# Altium PCB core.PcbDoc
Units mm, origin at the board's own origin, x right, y up, seen from the top; angles counter-clockwise.
Board outline 76.96 x 67.19 mm, 2 copper layers (Top Layer, Bottom Layer); 79 components, 78 nets, 305 pads, 150 vias.
Unrouted connection lines stored in the file: 1.
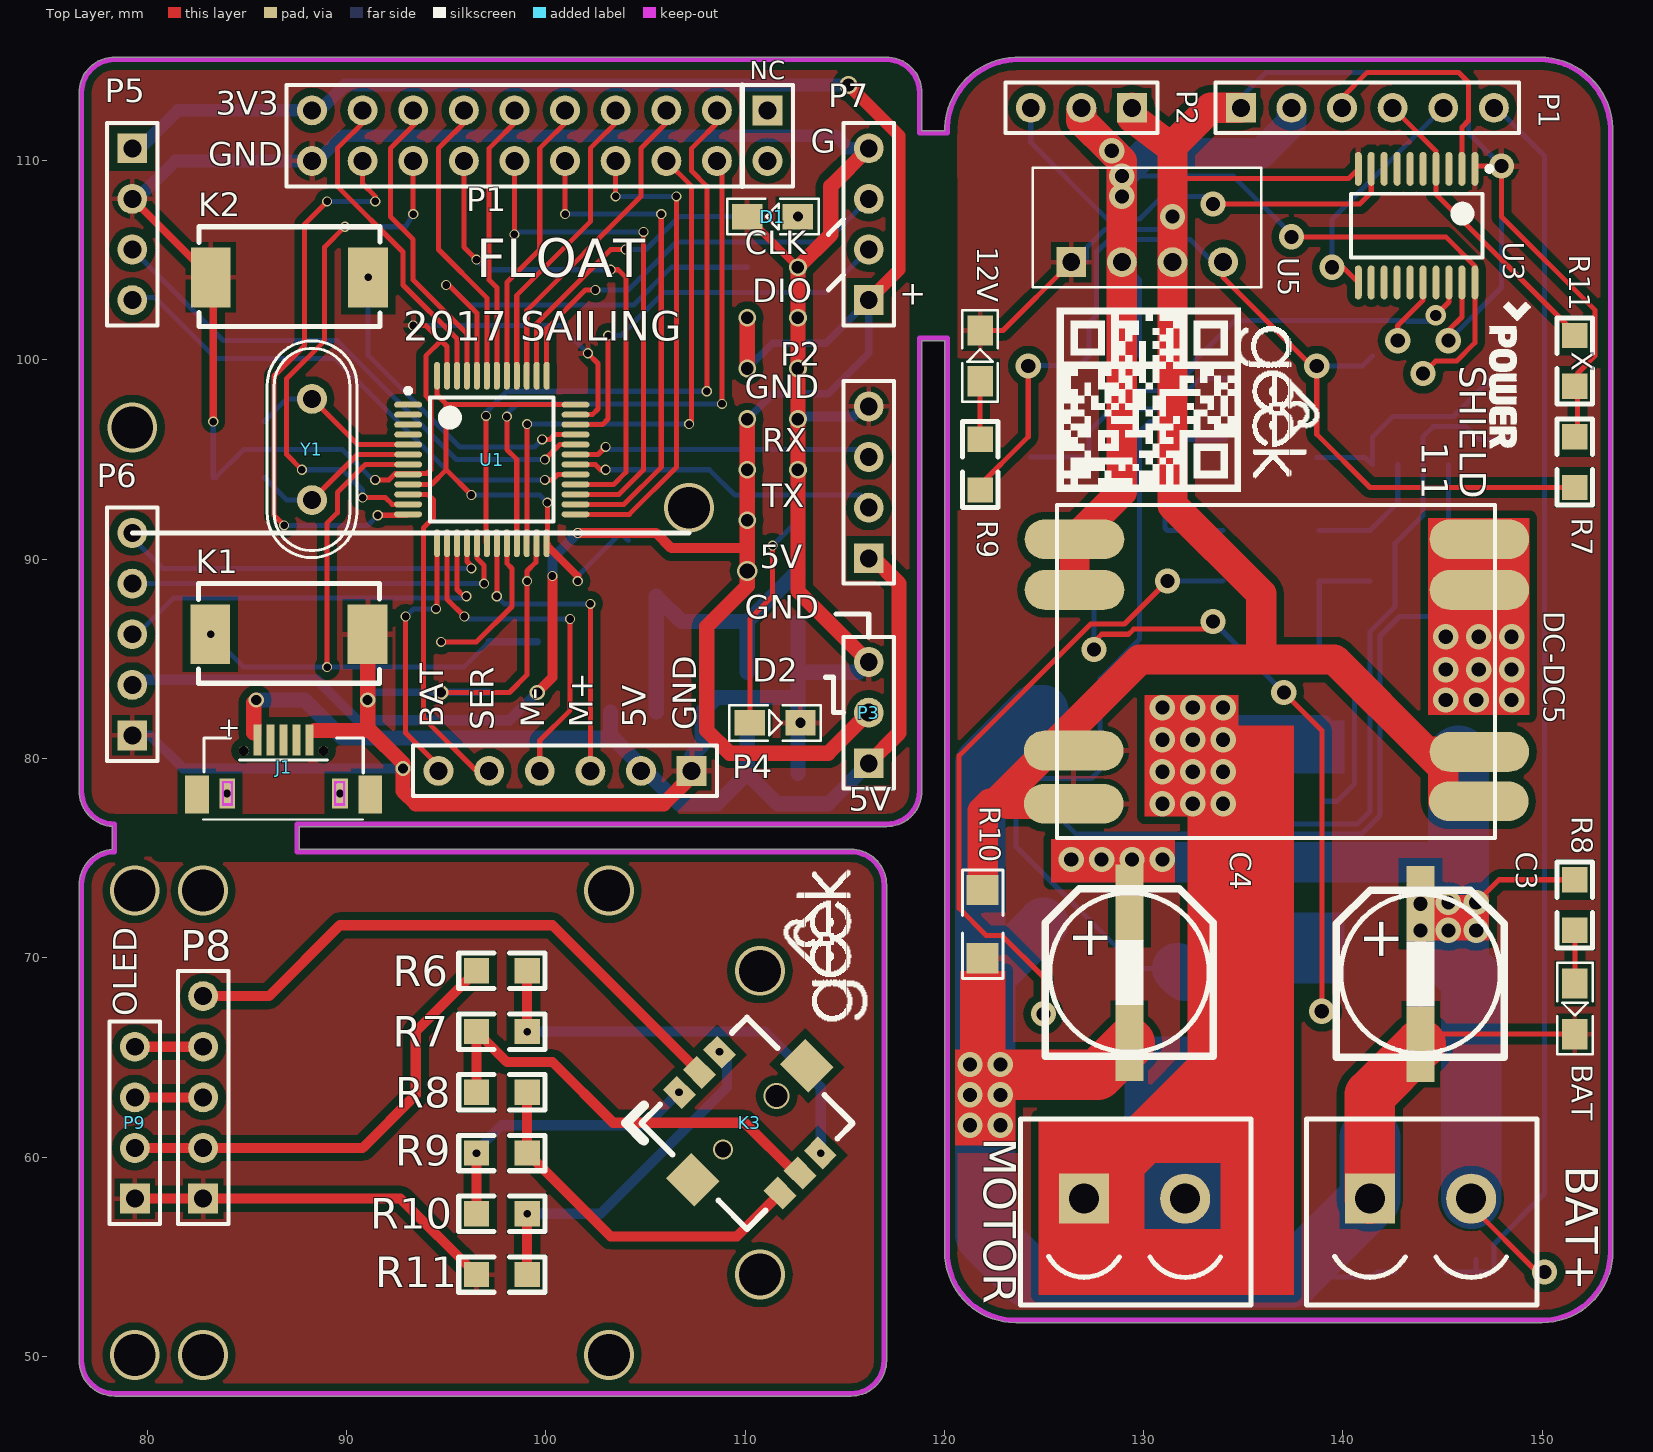
[diagram p0: Top Layer view]
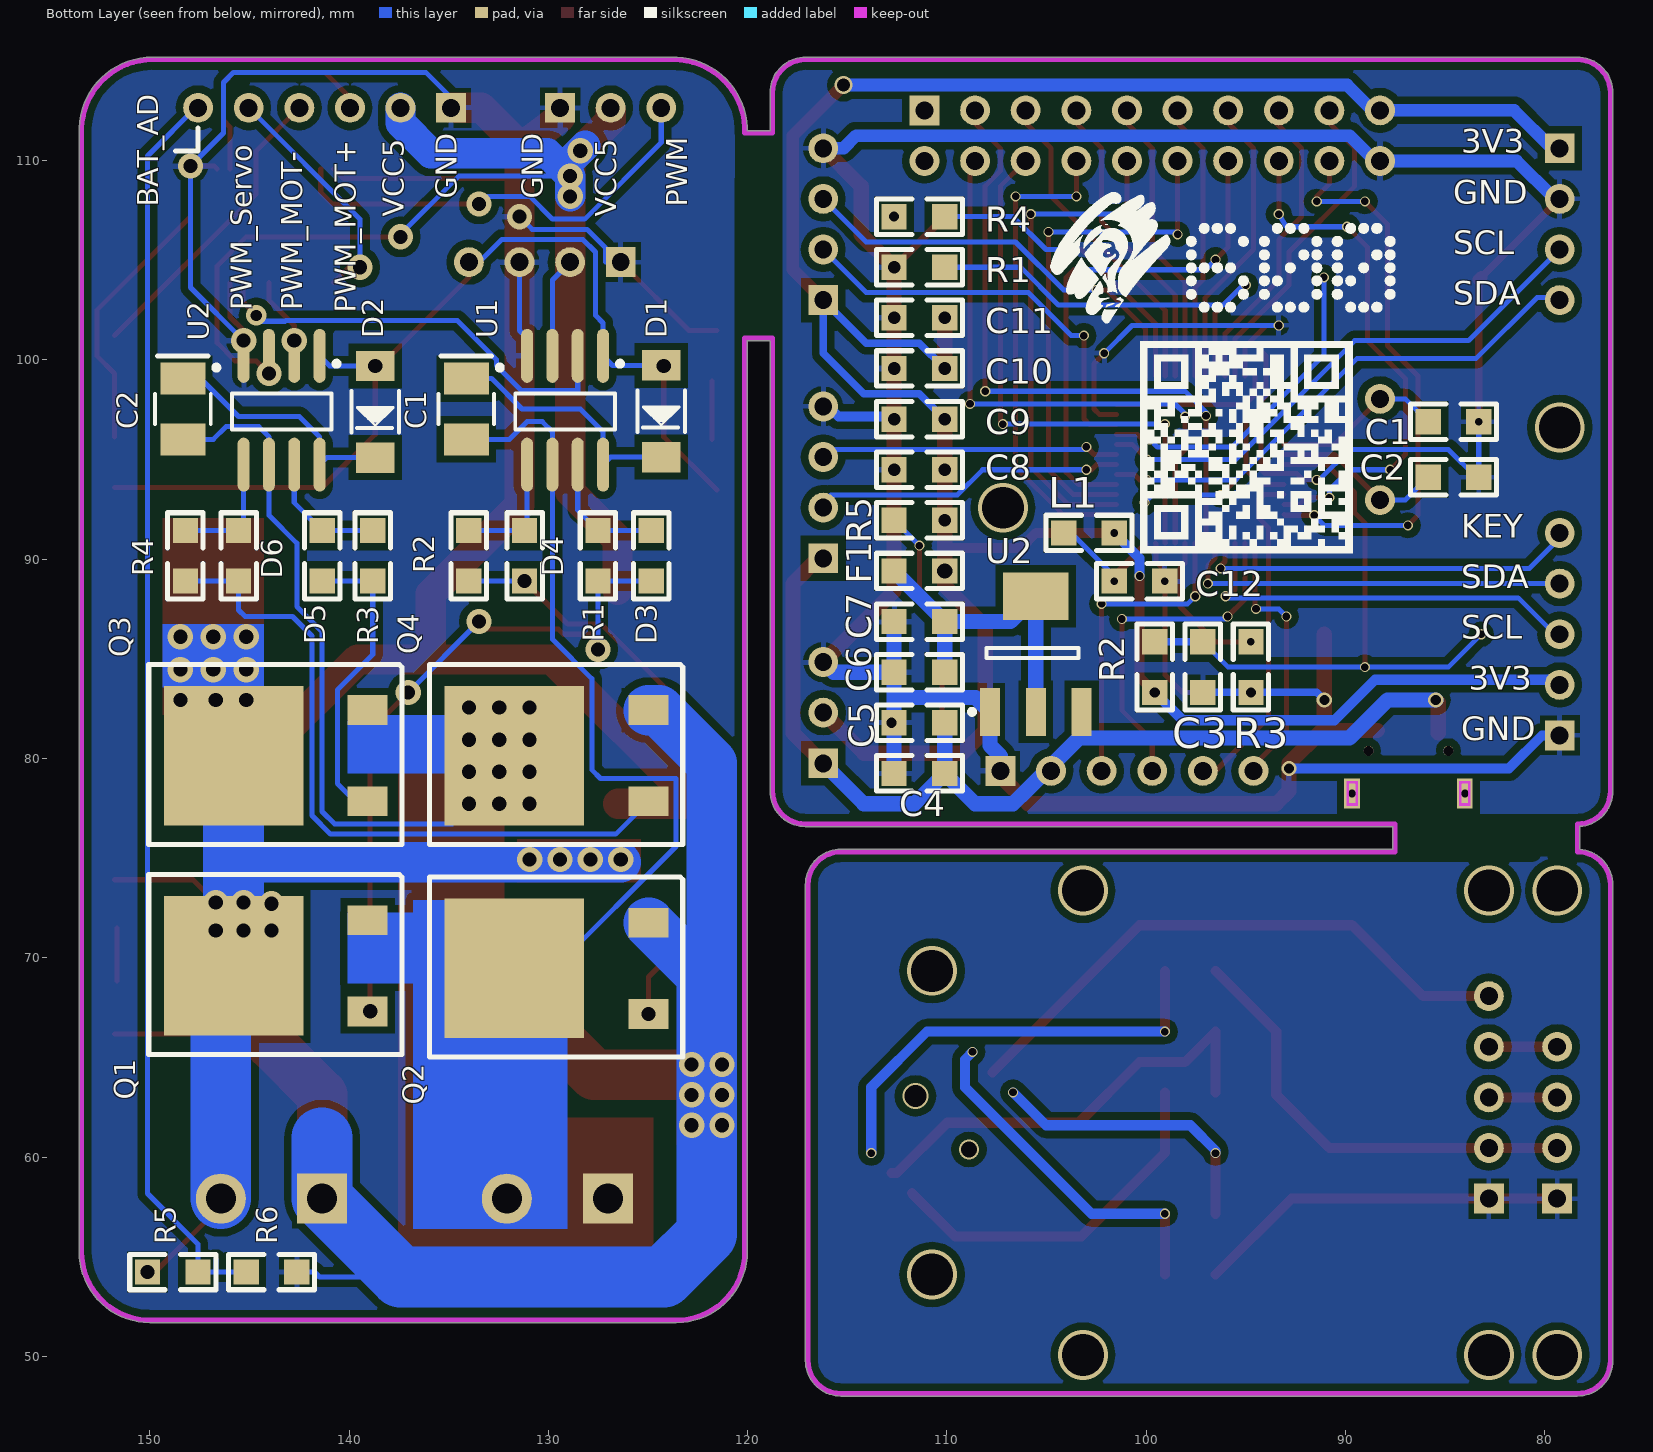
[diagram p1: Bottom Layer view, seen from below]

## Layer stack, top to bottom
Top Solder: solder mask 0.0102, Solder Resist, Dk 3.5
Top Layer: signal copper 0.0356
Dielectric 1: dielectric 0.32, FR-4, Dk 4.8
Bottom Layer: signal copper 0.0356
Bottom Solder: solder mask 0.0102, Solder Resist, Dk 3.5

## Board outline
76.581,49.784 76.581,73.66 cw(c78.359,73.66) 78.232,75.434 78.232,76.585 cw(c78.359,78.359) 76.581,78.359 76.581,113.411 cw(c78.359,113.411) 78.359,115.189 117.094,115.189 cw(c117.094,113.411) 118.872,113.411 118.872,111.506 120.015,111.506 120.015,111.633 cw(c120.142,111.633) 120.018,111.662 cw(c123.698,111.506) 123.542,115.186 cw(c123.571,115.062) 123.571,115.189 149.836,115.189 cw(c149.86,115.064) 149.86,115.192 cw(c149.86,111.506) 153.543,111.638 cw(c153.416,111.633) 153.543,111.633 cw(c153.416,111.633) 153.543,111.633 153.543,55.245 cw(c149.987,55.245) 149.987,51.689 123.571,51.689 cw(c123.571,55.245) 120.015,55.245 120.015,100.965 118.872,100.965 118.872,78.359 cw(c117.094,78.359) 117.094,76.581 87.63,76.581 87.63,75.438 115.316,75.438 cw(c115.316,73.66) 117.094,73.66 117.094,49.784 cw(c115.316,49.784) 115.316,48.006 78.359,48.006 cw(c78.359,49.784)

## Design rules (kind name [scope] priority, off if disabled: settings)
Clearance [All] p1: gap=0.178
PolygonConnect [All] p1: connectstyle=Relief reliefconductorwidth=0.254 reliefentries=4 polygonreliefangle="90 Angle" airgapwidth=0.254
RoutingVias [All] p1: holewidth=0.711 width=1.27 viastyle="Through Hole" minholewidth=0.381 minwidth=0.381 maxholewidth=4.826 maxwidth=5.08
SolderMaskExpansion [All] p1: expansion=0.102
Width [All] p1: maxlimit=5 minlimit=0.178 preferedwidth=0.254
30 further rules are at their usual default settings.

## Classes and differential pairs
component class core: C1 C2 C3 C4 C5 C6 C7 C8 C9 C10 C11 C12 D1 D2 F1 J1 K1 K2 K3 L1 P1 P2 P3 P4 P5 P6 P7 P8 P9 R1 R2 R3 R4 R5 R6 R7 R8 R9 R10 R11 U1 U2 Y1

## Components (designator, comment, footprint, x,y, rotation, side; value= is the part's Value field where it differs from the comment)
12V "12V" LED_0805 121.793,98.933 r90 top (schematic designator D8)
BAT "12V" LED_0805 151.638,68.707 r270 top (schematic designator D7)
BAT+ "接线端子2P" 接线端子KF301-2P 141.351,57.912 r0 top (schematic designator J1)
C1 "Cap" 0805 83.312,96.901 r0 bottom
C1 "Cap Pol1" "Cap 3528B" 134.112,99.062 r270 bottom
C2 "Cap" 0805 83.312,94.107 r0 bottom
C2 "Cap Pol1" "Cap 3528B" 148.336,99.062 r270 bottom
C3 "Cap" 0805 97.155,83.312 r90 bottom
C3 "cap" "cap贴片铝电解质470uF 16V" 143.891,72.71 r270 top
C4 "Cap" 0805 112.649,79.248 r180 bottom
C4 "cap" "cap贴片铝电解质470uF 16V" 129.286,72.771 r270 top
C5 "Cap" 0805 112.649,81.788 r180 bottom
C6 "Cap" 0805 112.649,84.328 r180 bottom
C7 "Cap" 0805 112.649,86.868 r180 bottom
C8 "Cap" 0805 112.649,94.488 r180 bottom
C9 "Cap" 0805 112.649,97.028 r180 bottom
C10 "Cap" 0805 112.649,99.568 r180 bottom
C11 "Cap" 0805 112.649,102.108 r180 bottom
C12 "Cap" 0805 99.06,88.9 r0 bottom
D1 "LED" LED_0805 112.649,107.188 r180 top
D1 "1N5819" DIO-214 124.333,99.723 r270 bottom
D2 "LED" LED_0805 110.236,81.788 r0 top
D2 "1N5819" DIO-214 138.684,99.695 r270 bottom
D3 "Diode 1N4148" 0805 124.841,88.9 r90 bottom
D4 "Diode 1N4148" 0805 131.191,88.9 r90 bottom
D5 "Diode 1N4148" 0805 141.351,88.9 r90 bottom
D6 "Diode 1N4148" 0805 145.542,88.9 r90 bottom
DC-DC5 "DM02" DM02 136.652,84.328 r0 top (schematic designator U4)
F1 "Fuse" 0805 112.649,89.408 r180 bottom
J1 "USB OTG Port" "Micro USB母座贴片" 85.537,80.932 r0 top
K1 "Key" 贴片按键3*6mm 91.059,86.233 r180 top
K2 "Key" 贴片按键3*6mm 91.085,104.14 r180 top
K3 "五向按键" 五向按键 110.236,61.722 r135 top
L1 "Inductor" 0805 104.14,91.313 r180 bottom
MOTOR "接线端子2P" 接线端子KF301-2P 127,57.912 r0 top (schematic designator J2)
P1 "Header 10X2" HDR2X10 111.125,112.522 r180 top
P1 "Header 6" HDR1X6 134.874,112.649 r0 top
P2 "Header 4" HDR1X4 116.205,90.043 r90 top
P2 "Header 3" HDR1X3 129.413,112.649 r180 top
P3 "Header 3" HDR1X3 116.205,79.756 r90 top
P4 "Header 6" HDR1X6 107.315,79.375 r180 top
P5 "Header 4" HDR1X4 79.248,110.617 r270 top
P6 "Header 5" HDR1X5 79.248,81.153 r90 top
P7 "Header 4" HDR1X4 116.205,102.997 r90 top
P8 "Header 5" HDR1X5 82.804,57.912 r90 top
P9 "Header 4" HDR1X4 79.375,57.912 r90 top
Q1 "MOSFET-N" TO-252 145.732,69.723 r90 bottom
Q2 "MOSFET-N" TO-252 131.636,69.596 r90 bottom
Q3 "MOSFET-N" TO-252 145.732,80.264 r90 bottom
Q4 "MOSFET-N" TO-252 131.636,80.264 r90 bottom
R1 "Res" 0805 112.649,104.648 r180 bottom
R1 "Res_" 0805 127.508,91.44 r270 bottom
R2 "Res" 0805 99.568,83.312 r90 bottom
R2 "Res_" 0805 133.985,91.44 r270 bottom
R3 "Res" 0805 94.742,85.852 r270 bottom
R3 "Res_" 0805 138.811,88.9 r90 bottom
R4 "Res" 0805 110.109,107.188 r0 bottom
R4 "Res_" 0805 148.209,88.9 r90 bottom
R5 "Res" 0805 110.109,91.948 r0 bottom
R5 "Res_" 0805 147.574,54.229 r0 bottom
R6 "Res" 0805 96.52,69.342 r0 top
R6 "Res_" 0805 142.621,54.229 r0 bottom
R7 "Res" 0805 99.06,66.294 r180 top
R7 "Res_" 0805 151.638,96.139 r270 top
R8 "Res" 0805 96.52,63.246 r0 top
R8 "Res_" 0805 151.638,73.914 r270 top
R9 "Res" 0805 99.06,60.198 r180 top
R9 "Res_" 0805 121.793,93.472 r90 top
R10 "Res" 0805 96.52,57.15 r0 top
R10 "Res_" 1206 121.92,73.397 r270 top
R11 "Res" 0805 99.06,54.102 r180 top
R11 "Res_" 0805 151.638,98.679 r90 top
U1 "STM32F103C8T6" STM32F103C8T6 93.091,97.75 r0 top
U1 "IR2104s" IR2104-SOIC8 129.159,97.409 r270 bottom
U2 "AMS1117" AMS1117 107.837,82.338 r90 bottom
U2 "IR2104s" IR2104-SOIC8 143.383,97.409 r270 bottom
U3 "SN74HC244PW" 74HC244-TSOP 146.618,109.586 r270 top
U5 "B0512S-1W" B0512S-1W 126.365,104.902 r0 top
Y1 "晶振" 晶振49S型 88.265,92.964 r90 top

## Footprints (in the part's own frame and the unit in brackets; to place one, negate y for a bottom-side part, rotate by r counter-clockwise, add the part's x,y. Pads: shape width x height; smd on the part's side, far side on the other; paste and mask are expansions set on the pad)
74HC244-TSOP [mm] "TSOP"
  oval 1.7x0.35 smd: 1(0,0) 2(0,-0.65) 3(0,-1.3) 4(0,-1.95) 5(0,-2.6) 6(0,-3.25) 7(0,-3.9) 8(0,-4.55) 9(0,-5.2) 10(0,-5.85) 11(5.7,-5.85) 12(5.7,-5.2) 13(5.7,-4.55) 14(5.7,-3.9) 15(5.7,-3.25) 16(5.7,-2.6) 17(5.7,-1.95) 18(5.7,-1.3) 19(5.7,-0.65) 20(5.7,0)
  silkscreen extent -0.12,-6.22 4.45,0.85, body extent 0.6,-6.23 5.1,0.38, height 1.2
0805 [mm] "Chip Capacitor, 2-Leads, Body 2.0x1.3mm, IPC Medium Density"
  rect 1.27x1.27 smd: 1(0,0) 2(2.54,0)
  silkscreen extent -0.89,-0.89 3.43,0.89
1206 [mm]
  rect 1.52x1.6 smd: 1(0,0) 2(3.42,0)
  silkscreen extent -1.02,-1.02 4.44,1.02
AMS1117 [mm] "SOT223, 4-Leads, Body 4.6x4.1mm (max), Pitch 1.50mm, IPC Medium Density"
  rect 2.4x1 smd: 1(0,0) 2(0,-2.3) 3(0,-4.6)
  rect 2.4x3.3 smd: 2(5.8,-2.3)
  silkscreen extent -0.12,-4.44 3.2,1.03, body extent 1.65,-4.44 4.25,0.17, height 1.6
B0512S-1W [mm]
  rect 1.5x1.5 hole 0.9: 1(0,0)
  round 1.5 hole 0.9: 2(2.54,0) 3(5.08,0) 4(7.62,0)
  silkscreen extent -1.94,-1.25 9.54,4.75
"Cap 3528B" [mm]
  rect 1.6x2.25 smd: 1(0,0) 2(3.05,0)
  silkscreen extent -1.14,-1.4 2.29,1.8, body extent -0.23,-1.4 3.27,1.4, height 1.9
"cap贴片铝电解质470uF 16V" [mm] "铝电解质 470uF 16V"
  rect 3.8x1.4 smd: 1(0,0) 2(7.051,0)
  silkscreen extent -0.69,-4.22 7.71,4.2
DIO-214 [mm] "Diode"
  rect 1.524x1.95 smd: 1(0,0) 2(4.6,0)
  silkscreen extent 1.25,-1.2 3.35,1.2, body extent 0.18,-1.2 4.42,1.19, height 3
DM02 [mm]
  oval 5x2 smd: 1(-10.125,6.667) 2(-10.125,4.127) 3(-10.16,-3.937) 4(-10.16,-6.604) 5(10.16,-6.477) 6(10.195,-4) 7(10.195,4.127) 8(10.195,6.667)
  silkscreen extent -11.01,-8.32 10.99,8.38
HDR1X3 [mm] "Connector; Header; 3 Position"
  rect 1.5x1.5 hole 0.9: 1(0,0)
  round 1.5 hole 0.9: 2(2.54,0) 3(5.08,0)
  silkscreen extent -1.27,-1.27 6.35,1.27
HDR1X4 [mm] "Connector; Header; 4 Position"
  rect 1.5x1.5 hole 0.9: 1(0,0)
  round 1.5 hole 0.9: 2(2.54,0) 3(5.08,0) 4(7.62,0)
  silkscreen extent -1.27,-1.27 8.89,1.27
HDR1X5 [mm] "Connector; Header; 5 Position"
  rect 1.5x1.5 hole 0.9: 1(0,0)
  round 1.5 hole 0.9: 2(2.54,0) 3(5.08,0) 4(7.62,0) 5(10.16,0)
  silkscreen extent -1.27,-1.27 11.43,1.27
HDR1X6 [mm] "Connector; Header; 6 Position"
  rect 1.5x1.5 hole 0.9: 1(0,0)
  round 1.5 hole 0.9: 2(2.54,0) 3(5.08,0) 4(7.62,0) 5(10.16,0) 6(12.7,0)
  silkscreen extent -1.27,-1.27 13.97,1.27
HDR2X10 [mm] "Connector; Header; 10x2 Position"
  rect 1.5x1.5 hole 0.9: 1(0,0)
  round 1.5 hole 0.9: 2(0,2.54) 3(2.54,0) 4(2.54,2.54) 5(5.08,0) 6(5.08,2.54) 7(7.62,0) 8(7.62,2.54) 9(10.16,0) 10(10.16,2.54) 11(12.7,0) 12(12.7,2.54) 13(15.24,0) 14(15.24,2.54) 15(17.78,0) 16(17.78,2.54) 17(20.32,0) 18(20.32,2.54) 19(22.86,0) 20(22.86,2.54)
  silkscreen extent -1.27,-1.27 24.13,3.81
IR2104-SOIC8 [mm] "SOIC8"
  oval 2.708x0.6 smd: 1(-2.794,1.905) 2(-2.794,0.635) 3(-2.794,-0.635) 4(-2.794,-1.905) 5(2.667,-1.905) 6(2.667,-0.635) 7(2.667,0.635) 8(2.667,1.905)
  silkscreen extent -2.52,-2.5 0.9,2.88, body extent -1.95,-2.45 1.95,2.45, height 1.75
LED_0805 [mil]
  rect 60x50 smd: 1(0,0) 2(100,0)
  silkscreen extent -41,-35 140,35
"Micro USB母座贴片" [mm]
  rect 0.4x1.55 smd: 1(0,0) 2(0.65,0) 3(1.3,0) 4(1.95,0) 5(2.6,0)
  rect 1.2x1.9 smd: 6(-3.05,-2.75) 6(5.65,-2.75)
  rect 0.8x1.5 hole 0.4: 6(-1.525,-2.7) 6(4.125,-2.7)
  round 0.5 hole 0.5 unplated: ""(-0.7,-0.55) ""(3.3,-0.55)
  Keep-Out Layer lines w0.127: -1.754,-3.243 -1.754,-2.125 -1.296,-2.125 -1.296,-3.243 -1.754,-3.243 ; 3.896,-3.243 3.896,-2.125 4.354,-2.125 4.354,-3.243 3.896,-3.243
  silkscreen extent -2.75,-4 5.3,0.1
STM32F103C8T6 [mm]
  oval 1.4x0.3 smd: 1(0,0) 2(0,-0.5) 3(0,-1) 4(0,-1.5) 5(0,-2) 6(0,-2.5) 7(0,-3) 8(0,-3.5) 9(0,-4) 10(0,-4.5) 11(0,-5) 12(0,-5.5) 25(8.4,-5.5) 26(8.4,-5) 27(8.4,-4.5) 28(8.4,-4) 29(8.4,-3.5) 30(8.4,-3) 31(8.4,-2.5) 32(8.4,-2) 33(8.4,-1.5) 34(8.4,-1) 35(8.4,-0.5) 36(8.4,0)
  oval 0.3x1.4 smd: 13(1.45,-6.95) 14(1.95,-6.95) 15(2.45,-6.95) 16(2.95,-6.95) 17(3.45,-6.95) 18(3.95,-6.95) 19(4.45,-6.95) 20(4.95,-6.95) 21(5.45,-6.95) 22(5.95,-6.95) 23(6.45,-6.95) 24(6.95,-6.95) 37(6.95,1.45) 38(6.45,1.45) 39(5.95,1.45) 40(5.45,1.45) 41(4.95,1.45) 42(4.45,1.45) 43(3.95,1.45) 44(3.45,1.45) 45(2.95,1.45) 46(2.45,1.45) 47(1.95,1.45) 48(1.45,1.45)
  silkscreen extent -0.12,-5.85 7.3,0.82, body extent -0.3,-7.25 8.7,1.75, height 1.6
TO-252 [mm]
  rect 7x7 smd: 1(-0.127,0.064)
  rect 1.5x2 smd: 2(-2.413,-6.667) 3(2.159,-6.667)
  silkscreen extent -4.57,-8.38 4.44,4.32
五向按键 [mm]
  rect 2x1.8 smd: 0(0,4.05) 0(0,-4.05)
  rect 1.35x1 smd: 1(-3.575,1.425) 2(-3.575,0) 3(-3.575,-1.425) 4(3.575,1.425) 5(3.575,0) 6(3.575,-1.425)
  silkscreen extent -3.67,-3.62 4.38,4.4
接线端子KF301-2P [mil] "脚距5.08mm"
  rect 99x99 hole 59.06: 1(0,0)
  round 99 hole 59.06: 2(200,0)
  silkscreen extent -125,-210 330,157
晶振49S型 [mm]
  round 1.5 hole 0.9: 1(0,0) 2(5.08,0)
  silkscreen extent -2.88,-2.25 7.99,2.25
贴片按键3*6mm [mm]
  rect 2x3 smd: 1(0,0) 2(7.9,0)
  silkscreen extent -0.58,-2.54 8.48,2.46

## Part data
12V BAT: library part LED_
C1 C2: "Polarized Capacitor (Radial)"
D1 D2: library part 1N4007
D3 D4 D5 D6: "High Conductance Fast Diode"
DC-DC5: "DC-DC 5V"
P1: "Header, 10-Pin, Dual row"
P1 P4: "Header, 6-Pin"
P2 P5 P7 P9: "Header, 4-Pin"
P2 P3: "Header, 3-Pin"
P6 P8: "Header, 5-Pin"
Q1 Q2 Q3 Q4: "N-Channel MOSFET"
U1 U2: library part 2014s
U3: library part SN74LVC244APW, "Octal Buffer/Driver with 3-State Outputs"

## Via types
v1: diameter 0.508, hole 0.381, Top Layer to Bottom Layer, 61 vias
v2: diameter 1.27, hole 0.711, Top Layer to Bottom Layer, 57 vias
v3: diameter 0.889, hole 0.635, Top Layer to Bottom Layer, 11 vias
v4: diameter 2.5, hole 2.1, Top Layer to Bottom Layer, 10 vias
v5: diameter 0.762, hole 0.508, Top Layer to Bottom Layer, 7 vias
v6: diameter 1.016, hole 0.762, Top Layer to Bottom Layer, 1 vias
v7: diameter 1, hole 0.8, Top Layer to Bottom Layer, 1 vias
v8: diameter 1.3, hole 1.1, Top Layer to Bottom Layer, 1 vias
v9: diameter 1.016, hole 0.559, Top Layer to Bottom Layer, 1 vias

## Nets (pads, with @x,y where several pads share a name; then routed paths per layer and width w, separated by ;. In a path a pad name is that pad's centre, name@x,y a point inside that pad or via, vN(x,y) a via of type N, cw(c..) or ccw(c..) an arc to the next point about the centre after c; other vN are vias at no path point)
(A5): P8.3 P9.3 | length 3.4
  Top Layer w0.508: P9.3 P8.3
(A6): K3.5 P8.5 | length 29.4
  Top Layer w0.508: P8.5 86.106,68.072 89.662,71.628 100.33,71.628 K3.5
(A7): P8.4 P9.4 | length 3.4
  Top Layer w0.508: P9.4 P8.4
(GND): P8.1 P9.1 R11.2@96.52,54.102 | length 18.7
  Top Layer w0.508: P9.1 P8.1 92.71,57.912 R11.2@96.52,54.102
(VCC_3.3): P8.2 P9.2 R6.1@96.52,69.342 | length 22.7
  Top Layer w0.508: P9.2 P8.2 90.805,60.452 93.472,63.119 93.472,66.294 R6.1@96.52,69.342
A0: P4.5 U1.10 | length 17.2
  Top Layer w0.254: U1.10 94.075,93.25 94.361,92.964 94.361,92.075 93.853,91.567 93.853,82.042 96.52,79.375 P4.5 P4.5@97.155,79.121
A1: P1.16 U1.11 | length 26.5
  Top Layer w0.254: v1(87.757,94.488) 86.995,95.25 86.995,99.06 88.9,100.965 88.9,105.664 v1(89.916,106.68) ; v1(90.805,93.091) 91.948,93.091 92.289,92.75 U1.11 ; v1(93.345,107.315) P1.16
  Bottom Layer w0.254: v1(87.757,94.488) 89.789,94.488 90.805,93.472 v1(90.805,93.091) ; v1(89.916,106.68) 92.964,106.68 v1(93.345,107.315)
A2: P1.18 U1.12 | length 28.8
  Top Layer w0.254: v1(86.868,91.694) 86.36,92.202 86.36,99.187 87.884,100.711 87.884,106.807 v1(89.027,107.95) ; P1.18@91.059,109.982 90.805,109.728 90.805,108.839 91.44,108.204 v1(91.44,107.95) ; v1(91.567,92.202) 93.043,92.202 U1.12
  Bottom Layer w0.254: v1(86.868,91.694) 91.059,91.694 v1(91.567,92.202) ; v1(89.027,107.95) v1(91.44,107.95)
A3: P4.6 U1.13 | length 13.7
  Top Layer w0.254: v1(92.964,87.122) 92.964,81.28 94.615,79.629 P4.6 P4.6@94.615,79.121 ; v1(94.488,87.503) 94.541,87.556 U1.13
  Bottom Layer w0.254: v1(92.964,87.122) 93.345,87.503 v1(94.488,87.503)
A4: P4.4 U1.14 | length 17.9
  Top Layer w0.254: U1.14 95.041,87.994 v1(95.913,87.122) ; P4.4@99.695,79.121 P4.4 99.695,80.899 101.219,82.423 v1(101.219,86.995)
  Bottom Layer w0.254: v1(95.913,87.122) 96.04,86.995 v1(101.219,86.995)
A5: P6.3 U1.15 | length 20.8
  Top Layer w0.254: U1.15 95.541,88.482 95.885,88.138 v1(96.012,88.138)
  Bottom Layer w0.254: P6.3@78.994,86.233 P6.3 79.375,86.106 81.331,88.062 95.936,88.062 v1(96.012,88.138)
A6: P6.5 U1.16 | length 19.4
  Top Layer w0.254: U1.16 96.041,89.887 96.317,89.611 96.266,89.56 v1(96.266,89.535)
  Bottom Layer w0.254: P6.5@78.994,91.313 80.772,89.535 v1(96.266,89.535)
A7: P6.4 U1.17 | length 19.8
  Top Layer w0.254: U1.17 96.541,90.05 96.901,89.69 v1(96.901,88.773)
  Bottom Layer w0.254: P6.4 v1(96.901,88.773)
A8: P5.4 U1.29 | length 26.3
  Top Layer w0.254: v1(99.949,93.98) 100.33,93.98 100.6,94.25 U1.29
  Bottom Layer w0.254: P5.4@79.121,102.997 79.248,103.124 80.391,103.124 83.439,100.076 89.408,100.076 95.504,93.98 v1(99.949,93.98)
A9: P2.2@116.205,92.583 U1.30 | length 15.5
  Top Layer w0.254: U1.30 102.481,94.75 102.743,94.488 v1(102.997,94.488)
  Bottom Layer w0.254: v1(102.997,94.488) 108.204,94.488 109.474,93.218 115.824,93.218 P2.2@116.205,92.837
A10: P2.3@116.205,95.123 U1.31 | length 15
  Top Layer w0.254: U1.31 102.616,95.25 v1(102.997,95.631)
  Bottom Layer w0.254: v1(102.997,95.631) 103.124,95.504 116.078,95.504 P2.3@116.205,95.377
A11: P5.3 U1.32 | length 27
  Top Layer w0.254: v1(99.949,94.996) 100.703,95.75 U1.32
  Bottom Layer w0.254: P5.3@79.121,105.537 P5.3 83.82,100.965 89.535,100.965 95.504,94.996 v1(99.949,94.996)
A12: K2.1 U1.33 | length 16.5